# Altium PCB AL1000.PcbDoc (part 3 of 4) (continued)
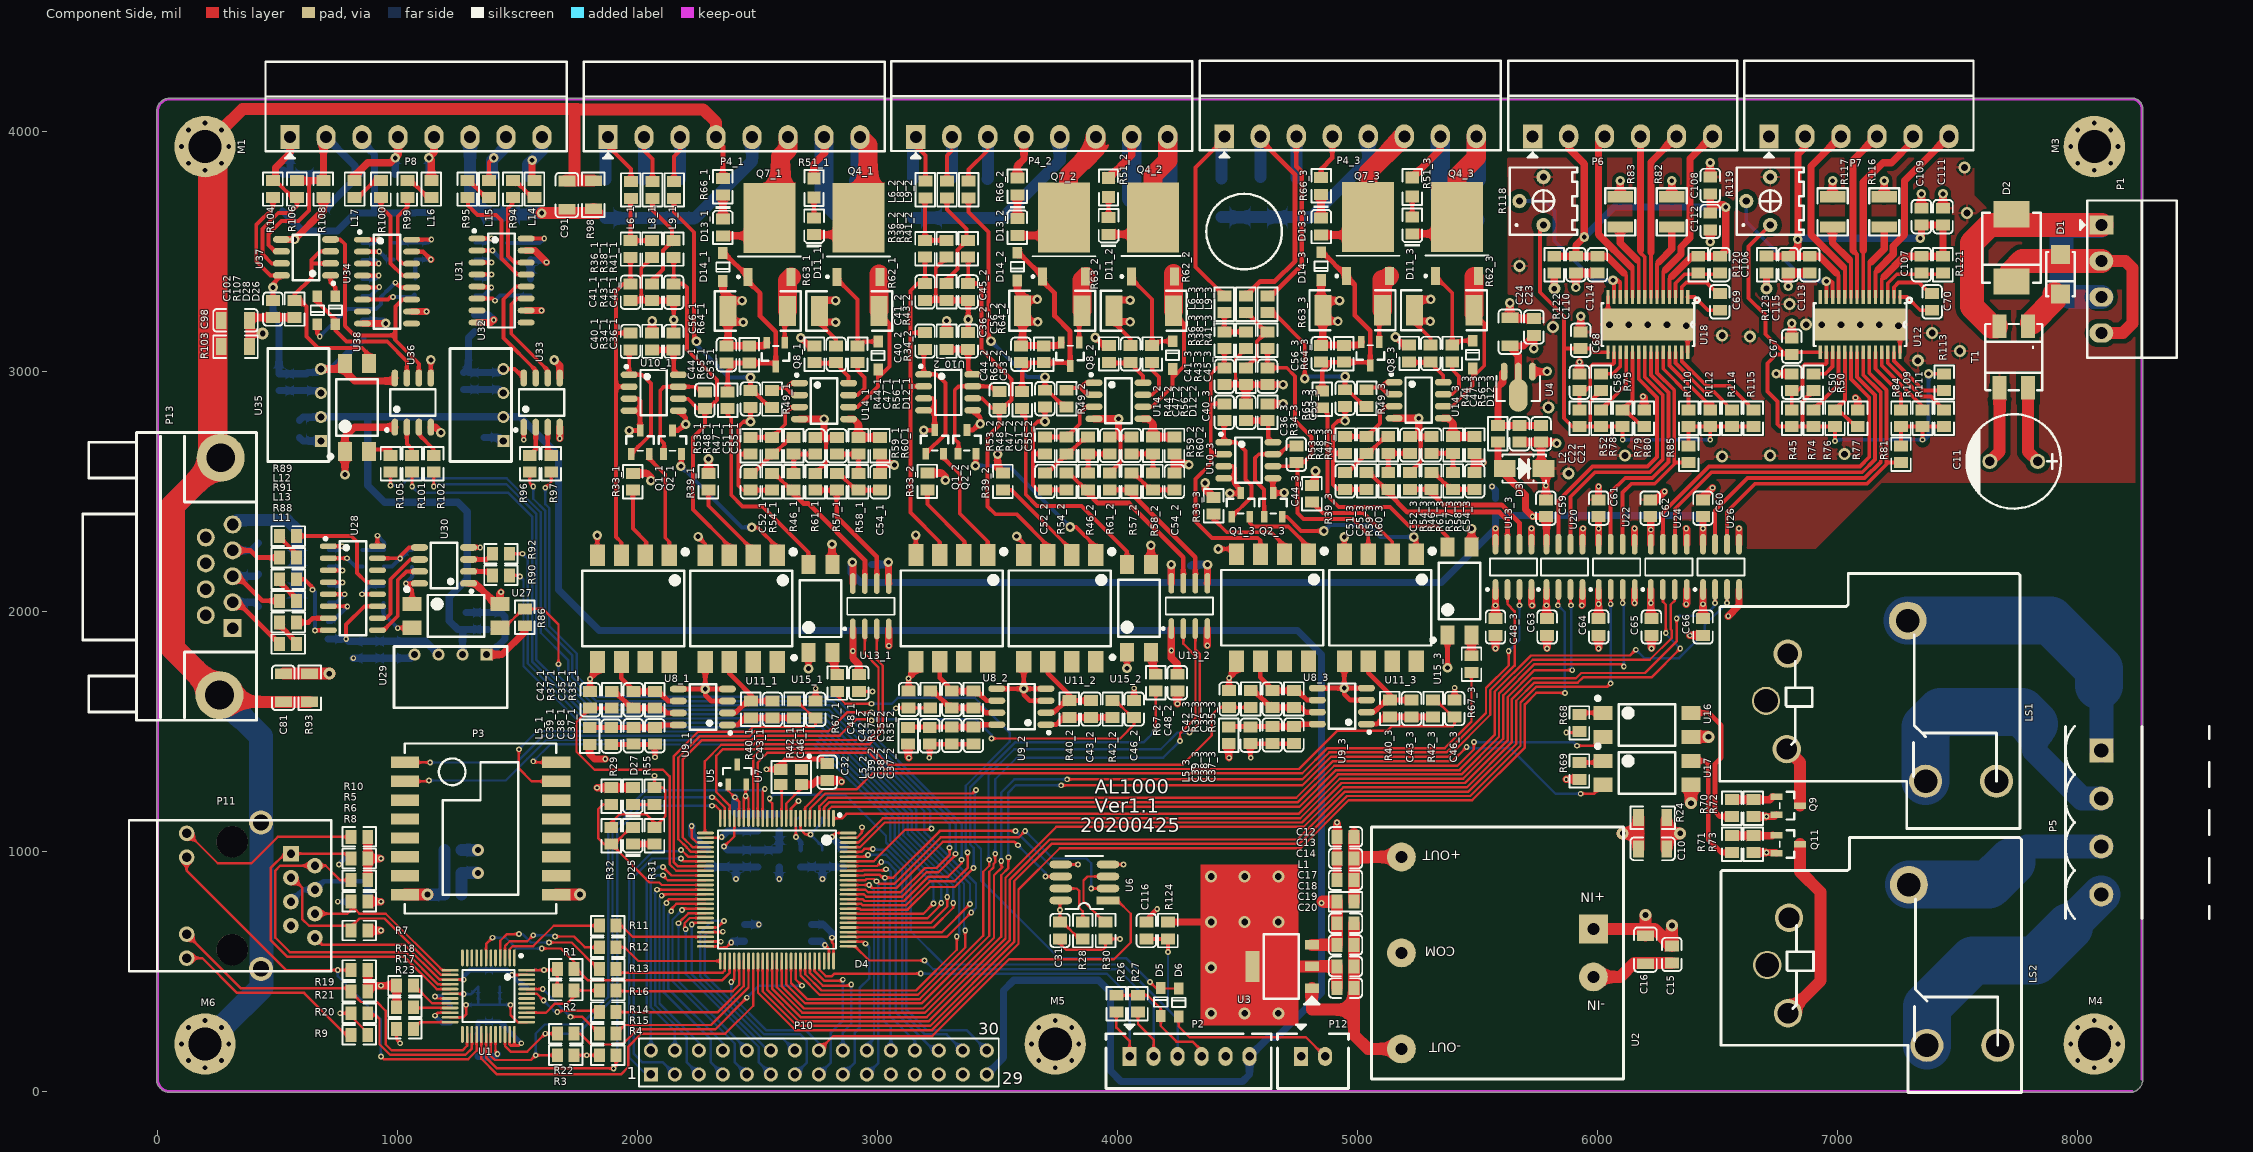
[diagram p0: Component Side view]
## Nets (pads, with @x,y where several pads share a name; then routed paths per layer and width w, separated by ;. In a path a pad name is that pad's centre, name@x,y a point inside that pad or via, vN(x,y) a via of type N, cw(c..) or ccw(c..) an arc to the next point about the centre after c; other vN are vias at no path point) (continued)
  Solder Side w10: v1(1135,1370) 1495,1370 1607,1482 1905.18,1482 1905.76,1481.42 2362.54,1481.42 2363.13,1482 2751.18,1482 3089,1144.18 3089,1059.19 3290,858.19 v1(3290,810)
NetD4_82: D4.82 P3.2 | length 3099
  Component Side w10: P3.2@1030.04,1291.85 1126.85,1291.85 v1(1130,1295) ; D4.82@2877.24,721.89 2878.13,721 3207.36,721 3265,778.64 v1(3265,785)
  Solder Side w10: v1(1130,1295) 1450,1295 1540,1385 1540,1385.36 1618.64,1464 1897.72,1464 1898.31,1463.42 2370,1463.42 2370.58,1464 2743.72,1464 3071,1136.72 3071,1051.73 3265,857.73 v1(3265,785)
NetD4_83: D4.83 P3.16 | length 2545.9
  Component Side w10: v1(1565,1375) 1569.41,1370.59 P3.16@1659.96,1370.59 ; D4.83@2877.24,741.57 2913.66,741.57 2916.23,739 3190,739 v1(3233,782)
  Solder Side w10: v1(1565,1375) 1636,1446 1890.27,1446 1891.27,1445 2735,1445 3053,1127 3053,1044.28 3233,864.28 ; 3230.09,861.37 3233,858.45 v1(3233,782) v1@3238,787
NetD4_84: D4.84 R67_2.1 | length 1961.9
  Component Side w10: D4.84@2877.24,761.26 2925.74,761.26 2930,757 3125.09,757 3219.27,851.18 3321.18,851.18 v1(3400,930) ; 4157.36,1515 4159.13,1516.77 R67_2.1@4159.13,1667.8
  Solder Side w10: v1@3402.18,932.18 v1(3400,930) 3400,1015 3386,1029 3386,1243.64 3385,1244.64 3385,1265.91 3574.09,1455 4110,1455 v1(4155,1500)
NetD4_85: D4.85 R67_1.1 | length 2028.8
  Component Side w10: R67_1.1@2831.77,1666.38 2831.77,1648.23 2865,1615 v1(2975,1615) ; D4.85@2877.24,780.94 2931.51,780.94 2937.46,775 3117.63,775 3217.63,875 3319.54,875 3375,930.46 v1(3375,995)
  Solder Side w10: v1(2975,1615) 3059.64,1615 3084.64,1640 3405,1640 3550,1495 3550,1456.37 3367,1273.37 3367,1237.19 3368,1236.19 3368,1002 v1(3375,995)
NetD4_86: D4.86 R97.2 | length 3478.1
  Component Side w10: v1(1615,2515) 1640,2540 R97.2@1640,2579.96 ; D4.86@2877.24,800.63 2937.28,800.63 2944.91,793 3110.18,793 3211.77,894.59 3294.59,894.59 3350,950 v1(3350,965)
  Solder Side w10: v1(1615,2515) 1615,2447 1632,2430 1632,1938 1746,1824 1746,1731.73 1833.73,1644 1972.28,1644 1972.86,1643.42 2295.44,1643.42 2296.02,1644 2819.91,1644 3350,1113.91 v1(3350,965)
NetD4_87: D4.87 R96.1 | length 3432.3
  Component Side w10: R96.1@1550,2579.96 1550,2535 v1(1565,2520) ; D4.87@2877.24,820.31 2943.05,820.31 2952.37,811 3102.72,811 3204.31,912.59 3253.04,912.59 3325,984.54 v1@3325,985
  Solder Side w10: v1(1565,2520) 1565,2469 1614,2420 1614,1930.54 1728,1816.54 1728,1724.28 1826.28,1626 1964.82,1626 1965.41,1625.42 2302.9,1625.42 2303.48,1626 2812.46,1626 3325,1113.46 v1@3325,985
  other v1: 3325,990
NetD4_88: D4.88 R105.1 | length 3959.4
  Component Side w10: v1(970,2525) R105.1@970,2579.96 ; D4.88@2877.24,840 2948.82,840 2959.82,829 3095.27,829 3196.86,930.59 3245.59,930.59 3300,985 v1(3300,1014.75) v1@3300,1011.18
  Solder Side w10: v1(970,2525) 1015,2525 1045,2555 1453.54,2555 1596,2412.54 1596,1911 1710,1797 1710,1716.82 1818.82,1608 1957.37,1608 1957.95,1607.42 2310.35,1607.42 2310.93,1608 2805,1608 3300,1113 v1(3300,1014.75)
NetD4_89: D4.89 P10.20 U6.6 | length 1750.5
  Component Side w10: D4.89@2877.24,859.69 v1(2964.68,859.69) 2977.37,847 3079,847 3272,1040 3570,1040 v1(3585,1025) ; v1(3700,895) U6.6@3763.15,895
  Solder Side w10: P10.20@2955,170 2955,190 2985,220 2985,839.37 v1(2964.68,859.69) ; v1(3585,1025) 3700,910 v1(3700,895)
NetD4_90: D4.90 P10.19 U6.2 | length 2173.4
  Component Side w10: D4.90@2877.24,879.37 2949.01,879.37 2954.33,884.69 2985.32,884.69 v1(2995,875) 3005,865 3070.19,865 3263.19,1058 3588,1058 v1(3615,1085) ; v1(3890,845) U6.2@3960,845
  Solder Side w10: P10.19@2955,70 3003,118 3003,867 v1(2995,875) ; v1(3615,1085) 3730,970 3870,970 3890,950 v1(3890,845)
NetD4_91: D4.91 P10.22 U6.5 | length 1909.5
  Component Side w10: D4.91@2877.24,899.06 2943.24,899.06 2946.87,902.69 3007.32,902.69 3020,890 v1(3030,890) 3064.54,890 3259.54,1085 v1(3575,1085) ; U6.5@3763.15,945 v1(3835,945)
  Solder Side w10: v1(3030,890) 3030,799.82 3025.18,795 3025.18,295 3055,265.18 P10.22@3055,170 ; v1(3575,1085) 3715,945 v1(3835,945)
NetD4_92: D4.92 P10.24 | length 962.6
  Component Side w10: D4.92@2877.24,918.74 2937.47,918.74 2939.42,920.69 v1@3024.32,920.69
  Solder Side w10: v1(3035,925) 3045,925 3055,915 3055,795 3050,790 3050,315 3155,210 P10.24@3155,170
NetD4_93: D4.93 P10.26 | length 1055.7
  Component Side w10: D4.93@2877.24,938.43 2877.5,938.69 2998.68,938.69 v1(3015,955)
  Solder Side w10: v1(3015,955) 3040.46,955 3075,920.46 3075,330 3235,170 P10.26@3255,170
NetD4_94: D4.94 R86.2 U27.3 | length 2790.4
  Component Side w10: U27.3@1426.06,1931.34 1443.61,1931.34 1522.31,2010.04 R86.2@1530,2010.04 1604.96,2010.04 1670,1945 v1(1670,1780) ; D4.94@2877.24,958.11 2983.11,958.11 2990,965 2990,965.36 3114.64,1090 3220,1090 v1(3225,1095)
  Solder Side w10: v1(1670,1780) 1670,1731.37 1811.37,1590 1949.91,1590 1950.5,1589.42 2317.81,1589.42 2318.39,1590 2797.55,1590 3220,1167.55 3220,1090 v1(3225,1095)
NetD4_95: D4.95 P10.28 | length 1161.8
  Component Side w10: D4.95@2877.24,977.8 2952.8,977.8 v1(2960,985)
  Solder Side w10: v1(2960,985) 3035.91,985 3102,918.91 3102,332.54 3197.54,237 3287.54,237 3354.54,170 P10.28@3355,170
NetD4_96: D4.96 P10.30 | length 1274.4
  Component Side w10: D4.96@2877.24,997.48 2932.48,997.48 2945,1010 v1(2980,1010)
  Solder Side w10: v1(2980,1010) 2983,1007 3039.37,1007 3120,926.37 3120,340 3205,255 3370,255 P10.30@3455,170
NetD4_97: D4.97 U20.3 | length 3767.9
  Component Side w10: D4.97@2877.24,1017.17 2926.71,1017.17 3029.54,1120 4768.65,1120 4933.15,1284.5 5447.68,1284.5 5625.5,1462.32 5625.5,1642.32 5738.18,1755 v3(5895,1755) ; U20.3@5887.5,2091.02 5887.5,2027.5 v3(5890,2025)
  Solder Side w10: v3(5890,2025) 5890,1760 v3(5895,1755)
NetD4_98: D4.98 U22.3 | length 3973.3
  Component Side w10: D4.98@2877.24,1036.85 2920.94,1036.85 3022.09,1138 4761.19,1138 4925.69,1302.5 5440.22,1302.5 5607.5,1469.78 5607.5,1649.78 5737.72,1780 6100,1780 v3(6110,1770) ; v3(6105,2035) U22.3@6105,2091.02
  Solder Side w10: v3(6105,2035) 6110,2030 v3(6110,1770)
NetD6_1: D6.1 P12.2 | length 703.7
  Component Side w10: D6.1@4255,311.93 4255,270 4300,225 4785,225 P12.2@4865,145
NetD7_1_1: D7_1.1 D11_1.K P4_1.8 Q4_1.4 | length 775.4
  Component Side w30: D11_1.K@2735,3569.96 2831.42,3569.96 2901.77,3640.32 Q4_1.4@2920.79,3640.32
  Component Side w80: Q4_1.4@2901.77,3640.32 2960,3698.54 2960,3943.15 P4_1.8@2926.77,3976.38
  Solder Side w80: D7_1.1@2920,3792.68 2926.77,3799.45 P4_1.8@2926.77,3976.38
NetD7_2_1: D7_2.1 D11_2.K P4_2.8 Q4_2.4 | length 762.8
  Component Side w30: D11_2.K@3962.36,3571.38 4058.78,3571.38 4129.13,3641.73 Q4_2.4@4148.15,3641.73
  Component Side w80: Q4_2.4@4148.15,3641.73 4148.15,3818.15 4209.13,3879.13 P4_2.8@4209.13,3977.8
  Solder Side w80: D7_2.1@4202.36,3794.09 4209.13,3800.87 P4_2.8@4209.13,3977.8
NetD7_3_1: D7_3.1 D11_3.K P4_3.8 Q4_3.4 | length 771
  Component Side w30: D11_3.K@5228.23,3573.58 5324.65,3573.58 5395,3643.94 Q4_3.4@5414.02,3643.94
  Component Side w80: Q4_3.4@5414.02,3643.94 5414.02,3810.79 5495,3891.77 P4_3.8@5495,3980
  Solder Side w80: D7_3.1@5488.23,3796.3 5495,3803.07 P4_3.8@5495,3980
NetD8_1_2: D8_1.2 L9_1.1 P4_1.3 | length 387.8
  Component Side w16: L9_1.1@2151.77,3791.42 2151.77,3895 2176.77,3920 P4_1.3@2176.77,3976.38 P4_1.3@2161.38,3976.38
  Solder Side w50: D8_1.2@2175,3800 2176.77,3801.77 P4_1.3@2176.77,3976.38
NetD8_2_2: D8_2.2 L9_2.1 P4_2.3 | length 410.6
  Component Side w16: L9_2.1@3379.13,3792.83 3379.13,3841.42 3459.13,3921.42 P4_2.3@3459.13,3977.8 P4_2.3@3443.74,3977.8
  Solder Side w50: D8_2.2@3457.36,3801.42 3459.13,3803.19 P4_2.3@3459.13,3977.8
NetD8_3_2: D8_3.2 L9_3.1 P4_3.3 | length 932.3
  Component Side w16: P4_3.3@4729.61,3980 P4_3.3@4745,3980
  Component Side w20: L9_3.1@4625,3315.2 4640,3315.2 4768,3443.2 4768,3831.6 4745,3854.6 P4_3.3@4745,3980
  Solder Side w50: D8_3.2@4745,3805.39 P4_3.3@4745,3980
NetD9_1_2: D9_1.2 L8_1.2 P4_1.2 | length 399.9
  Component Side w16: P4_1.2@2011.77,3961.38 P4_1.2@2026.77,3976.38 2026.77,3920 2061.77,3885 L8_1.2@2061.77,3791.42
  Solder Side w50: D9_1.2@2020,3800 2026.77,3806.77 P4_1.2@2026.77,3976.38
NetD9_2_2: D9_2.2 L8_2.2 P4_2.2 | length 316
  Component Side w16: L8_2.2@3289.13,3792.83 3289.13,3899.13 3309.13,3919.13 3309.13,3921.42
  Solder Side w50: D9_2.2@3302.36,3801.42 3309.13,3808.19 P4_2.2@3309.13,3977.8
NetD9_3_2: D9_3.2 L8_3.2 P4_3.2 | length 1035.9
  Component Side w16: P4_3.2@4580,3965 P4_3.2@4595,3980
  Component Side w20: L8_3.2@4535,3315.2 4535.2,3315.2 4595,3375 4655,3375 4740,3460 4740,3820 4595,3965 P4_3.2@4595,3980
  Solder Side w50: D9_3.2@4595,3810.39 P4_3.2@4595,3980
NetD10_1_2: D10_1.2 L6_1.2 P4_1.1 | length 405.6
  Component Side w16: P4_1.1@1876.77,3976.38 1884.07,3969.07 1884.07,3930.93 1971.77,3843.23 L6_1.2@1971.77,3791.42
  Solder Side w50: D10_1.2@1865,3800 1865,3964.61 P4_1.1@1876.77,3976.38
NetD10_2_2: D10_2.2 L6_2.2 P4_2.1 | length 382.8
  Component Side w16: P4_2.1@3159.13,3977.8 3166.44,3970.49 3166.44,3932.34 3199.13,3899.65 L6_2.2@3199.13,3792.83
  Solder Side w50: D10_2.2@3147.36,3801.42 3147.36,3966.02 P4_2.1@3159.13,3977.8
NetD10_3_2: D10_3.2 L6_3.2 P4_3.1 | length 945.5
  Component Side w16: L6_3.2@4445,3315.2 4325,3435.2 4325,3850 4445,3970 P4_3.1@4445,3980
  Solder Side w50: D10_3.2@4433.23,3803.62 4433.23,3968.23 P4_3.1@4445,3980
NetD11_1_A: D11_1.A R51_1.2 | length 85
  Component Side w16: D11_1.A@2735,3640.04 R51_1.2@2735,3725
NetD11_2_A: D11_2.A R51_2.2 | length 85
  Component Side w16: D11_2.A@3962.36,3641.46 R51_2.2@3962.36,3726.42
NetD11_3_A: D11_3.A R51_3.2 | length 85
  Component Side w16: D11_3.A@5228.23,3643.66 R51_3.2@5228.23,3728.62
NetD12_1_1: D12_1.1 Q4_1.3 R62_1.2 U14_1.6 | length 717.6
  Component Side w16: U14_1.6@2879.13,2851.38 2916.38,2851.38 3001.77,2936.77 3001.77,2971.77 ; D12_1.1@3001.77,3008.31 3001.77,2971.77 ; R62_1.2@3006.34,3251.42 3006.34,3241.38 3050,3197.72 3050,3020 3001.77,2971.77 ; D12_1.1@3006.77,2991.42 3006.77,3003.31 D12_1.1@3009.27,3005.81
  Component Side w80: R62_1.2@3006.34,3251.42 Q4_1.3@3006.34,3406.38
NetD12_1_2: D12_1.2 Q4_1.1 R56_1.1 | length 420.8
  Component Side w16: Q4_1.1@2831.02,3394.25 2831.02,3385 2916.77,3299.25 R56_1.1@2916.77,3106.42 2921.77,3106.42 2939.8,3124.45 D12_1.2@3001.77,3124.45 ; D12_1.2@3001.77,3119.45 D12_1.2@3006.77,3119.45
NetD12_2_1: D12_2.1 Q4_2.3 R62_2.2 U14_2.6 | length 717.6
  Component Side w16: U14_2.6@4106.5,2852.8 4143.74,2852.8 4229.13,2938.19 4229.13,2973.19 ; D12_2.1@4229.13,3009.72 4229.13,2973.19 ; R62_2.2@4233.7,3252.83 4233.7,3242.8 4277.36,3199.13 4277.36,3021.42 4229.13,2973.19 ; D12_2.1@4234.13,2992.83 4234.13,3004.72 D12_2.1@4236.63,3007.22
  Component Side w80: R62_2.2@4233.7,3252.83 Q4_2.3@4233.7,3407.8
NetD12_2_2: D12_2.2 Q4_2.1 R56_2.1 | length 420.8
  Component Side w16: Q4_2.1@4058.39,3395.67 4058.39,3386.42 4144.13,3300.67 R56_2.1@4144.13,3107.83 4149.13,3107.83 4167.17,3125.87 D12_2.2@4229.13,3125.87 ; D12_2.2@4229.13,3120.87 D12_2.2@4234.13,3120.87
NetD12_3_1: D12_3.1 Q4_3.3 R62_3.2 U14_3.6 | length 717.6
  Component Side w16: U14_3.6@5357.36,2855 5394.61,2855 5480,2940.39 5480,2975.39 ; D12_3.1@5480,3011.93 5480,2975.39 ; R62_3.2@5484.57,3255.04 5484.57,3245 5485,3244.57 5528.23,3201.34 5528.23,3023.62 5480,2975.39 ; D12_3.1@5485,2995.04 5485,3006.93 D12_3.1@5487.5,3009.43
  Component Side w80: R62_3.2@5485,3240.04 5485,3244.57 5485,3395
NetD12_3_2: D12_3.2 Q4_3.1 R56_3.1 | length 414.6
  Component Side w16: Q4_3.1@5324.25,3397.87 5395,3327.13 R56_3.1@5395,3110.04 5400,3110.04 5418.03,3128.07 D12_3.2@5480,3128.07 ; D12_3.2@5480,3123.07 D12_3.2@5485,3123.07
NetD13_1_A: D13_1.A P4_1.6 Q7_1.4 | length 594.3
  Component Side w30: D13_1.A@2355,3564.96 2474.96,3564.96 Q7_1.4@2550,3640
  Component Side w80: Q7_1.4@2550,3640 2595,3685 2595,3895 2626.77,3926.77 P4_1.6@2626.77,3976.38
NetD13_1_K: D13_1.K R66_1.1 | length 99.5
  Component Side w30: D13_1.K@2355,3635.04 R66_1.1@2355,3734.58
NetD13_2_A: D13_2.A P4_2.6 Q7_2.4 | length 617
  Component Side w30: D13_2.A@3582.36,3566.38 3702.32,3566.38 Q7_2.4@3777.36,3641.42
  Component Side w80: Q7_2.4@3777.36,3641.42 3795,3659.06 3795,3815 3909.13,3929.13 P4_2.6@3909.13,3977.8
NetD13_2_K: D13_2.K R66_2.1 | length 99.5
  Component Side w30: D13_2.K@3582.36,3636.46 R66_2.1@3582.36,3736
NetD13_3_A: D13_3.A P4_3.6 Q7_3.4 | length 625.3
  Component Side w30: D13_3.A@4848.23,3568.58 4968.19,3568.58 Q7_3.4@5043.23,3643.62
  Component Side w80: Q7_3.4@5043.23,3643.62 5043.23,3828.23 P4_3.6@5195,3980
NetD13_3_K: D13_3.K R66_3.1 | length 99.5
  Component Side w30: D13_3.K@4848.23,3638.66 R66_3.1@4848.23,3738.2
NetD15_2: D15.2 L13.2 P13.3 | length 443.4
  Component Side w20: P13.3@312,2146 334,2146 436.14,2043.86 L13.2@507.95,2043.86
  Solder Side w30: D15.2@405,2145 313,2145 P13.3@312,2146 411,2146 D15.2@420,2155
NetD16_2: D16.2 L12.2 P13.4 | length 329.3
  Component Side w20: P13.4@312,2254 386,2254 416.14,2223.86 L12.2@507.95,2223.86
  Solder Side w30: P13.4@312,2254 389,2254 D16.2@420,2285
NetD17_2: D17.2 L11.2 P13.2 | length 384.2
  Component Side w20: P13.2@312,2038 333.81,2038 L11.2@507.95,1863.86
  Solder Side w16: P13.2@311.5,2038.5 P13.2@312,2038
  Solder Side w30: P13.2@312,2038 402,2038 D17.2@420,2020
NetD18_2: D18.2 L15.2 P8.7 | length 276.7
  Component Side w16: L15.2@1380,3795.04 1380,3870 v4(1400,3890)
  Solder Side w50: D18.2@1392.99,3814.96 v4@1392.99,3880 ; v4@1401.5,3888.5 1451.18,3938.19 P8.7@1451.18,3976.38
NetD19_2: D19.2 L14.2 P8.8 | length 270.5
  Component Side w30: L14.2@1560,3795.04 v4(1560,3880)
  Solder Side w50: D19.2@1542.99,3814.96 1542.99,3862.99 v4(1560,3880) 1601.18,3921.18 P8.8@1601.18,3976.38
NetD20_2: D20.2 L17.2 P8.4 | length 380.9
  Component Side w30: L17.2@820,3795.04 820,3815 875,3870 970,3870 v4(990,3890) 1001.18,3901.18 P8.4@1001.18,3976.38
  Solder Side w30: D20.2@990,3821.1 v4(990,3890)
NetD21_2: D21.2 L16.2 P8.5 | length 263.2
  Component Side w30: L16.2@1140,3795.04 1140,3880 v4(1130,3890) 1151.18,3911.18 P8.5@1151.18,3976.38
  Solder Side w30: D21.2@1130,3821.1 v4(1130,3890)
NetD22_1: D22.1 D23.2 P8.2 R106.2 R108.1 U37.6 | length 1198.7
  Component Side w16: U37.6@515.28,3500 488.78,3500 461.84,3526.94 461.84,3573.06 515.78,3627 587,3627 630,3670 630,3795.04
  Component Side w30: R106.2@580,3795.04 630,3795.04 R108.1@670,3795.04 ; R108.1@690,3795.04 R108.1@670,3795.04 ; P8.2@701.18,3976.38 690,3965.2 690,3815.04 R108.1@670,3795.04
  Solder Side w30: D22.1@682.99,3662.76 822.99,3802.76 D23.2@822.99,3841.34 ; P8.2@701.18,3976.38 822.99,3854.57 D23.2@822.99,3841.34 ; D23.2@842.99,3821.34 D23.2@822.99,3841.34
NetD22_2: D22.2 D24.2 P8.1 R104.2 R106.1 U37.7 | length 1077.3
  Component Side w16: R104.2@480,3795.04 490,3795.04 560.08,3724.96 R106.1@580,3724.96 580,3690 550,3660 502.11,3660 435.84,3593.73 435.84,3489.16 475,3450 U37.7@515.28,3450
  Component Side w30: R104.2@490,3795.04 490,3848.82 551.18,3910 P8.1@551.18,3976.38
  Solder Side w30: D24.2@522.99,3821.34 D24.2@522.99,3840 ; D24.2@540,3821.1 D24.2@540.24,3821.34 ; P8.1@551.18,3976.38 551.18,3832.28 D24.2@540.24,3821.34 ; D22.2@682.99,3823.86 680.47,3821.34 D24.2@540.24,3821.34
NetD25_K: D25.K R31.1 | length 90
  Component Side w20: D25.K@1980,1029.96 R31.1@2070,1029.96
NetD26_1: D26.1 D28.1 U36.7 | length 593.5
  Component Side w16: D28.1@665,3313.07 665,3290 740,3215 D26.1@740,3196.93 740,3170 786,3124 956,3124 1037.99,3042.01 U36.7@1037.99,2973.7
NetD26_2: D26.2 U37.1 | length 95.2
  Component Side w16: U37.1@720,3400 720,3370 740,3350 D26.2@740,3313.07
NetD27_K: D27.K R55.1 | length 90
  Component Side w10: D27.K@1980,1194.96 R55.1@2070,1194.96
NetD28_2: D28.2 U34.12 | length 559.5
  Component Side w16: D28.2@665,3196.93 665,3155 v1(675,3145) ; v1(990,3370) 1010.59,3349.41 U34.12@1057.72,3349.41
  Solder Side w16: v1(675,3145) 790,3260 910,3260 930,3280 930,3310 950,3330 950,3332.43 952.43,3332.43 v1(990,3370)
NetL6_1_1: L6_1.1 R36_1.2 R38_1.2 | length 267
  Component Side w16: L6_1.1@1971.77,3721.34 1970,3719.57 R36_1.2@1970,3545.04 R38_1.2@2060,3545 R38_1.2@2060,3545
NetL6_2_1: L6_2.1 R36_2.2 R38_2.2 | length 267
  Component Side w16: L6_2.1@3199.13,3722.76 3197.36,3720.98 R36_2.2@3197.36,3546.46 R38_2.2@3287.32,3546.46 ; R38_2.2@3287.32,3546.46 R38_2.2@3287.36,3546.42
NetL6_3_1: L6_3.1 R36_3.2 R38_3.2 | length 170
  Component Side w16: L6_3.1@4445,3245.12 R36_3.2@4445,3165.16 R38_3.2@4535,3165.12 R38_3.2@4535,3165.12
NetL8_1_1: L8_1.1 R41_1.2 R43_1.2 | length 432.4
  Component Side w16: R43_1.2@2060,3365.04 2060,3380 2105,3425 2105,3454.94 2105.06,3455 2105.06,3504.38 R41_1.2@2145.68,3545 ; L8_1.1@2061.77,3721.34 2061.77,3673.23 2143.11,3591.89 2143.11,3545 R41_1.2@2145.68,3545 ; R41_1.2@2150,3545 R41_1.2@2145.68,3545
NetL8_2_1: L8_2.1 R41_2.2 R43_2.2 | length 432.4
  Component Side w16: R43_2.2@3287.36,3366.46 3287.36,3381.42 3332.36,3426.42 3332.36,3456.35 3332.43,3456.42 3332.43,3505.8 R41_2.2@3373.04,3546.42 ; L8_2.1@3289.13,3722.76 3289.13,3674.65 3370.47,3593.31 3370.47,3546.42 R41_2.2@3373.04,3546.42 ; R41_2.2@3377.36,3546.42 R41_2.2@3373.04,3546.42
NetL8_3_1: L8_3.1 R41_3.2 R43_3.2 | length 318.6
  Component Side w16: R43_3.2@4535,3015.08 4580.06,3060.14 ; L8_3.1@4535,3245.12 4538.11,3245.12 4618.11,3165.12 R41_3.2@4620.68,3165.12 ; 4580.06,3050.22 4580.06,3060.14 ; R41_3.2@4625,3165.12 R41_3.2@4620.68,3165.12 ; 4580.06,3060.14 4580.06,3124.5 R41_3.2@4620.68,3165.12
NetL11_1: L11.1 R88.1 | length 119
  Component Side w20: R88.1@507.95,1953.86 507.95,1941.09 578.03,1871.01 L11.1@578.03,1863.86
NetL12_1: L12.1 R89.1 | length 119
  Component Side w16: R89.1@507.95,2313.86 507.95,2309.54 578.03,2239.46 L12.1@578.03,2223.86
NetL13_1: L13.1 R91.1 | length 119
  Component Side w20: R91.1@507.95,2133.86 507.95,2122.05 578.03,2051.97 L13.1@578.03,2043.86
NetL14_1: L14.1 R94.1 | length 119
  Component Side w16: R94.1@1470,3795.04 R94.1@1480,3795.04 1489.92,3795.04 L14.1@1560,3724.96
NetL15_1: L15.1 R95.1 | length 119
  Component Side w16: R95.1@1290,3795.04 1297.15,3795.04 1367.23,3724.96 L15.1@1380,3724.96
NetL16_1: L16.1 R99.1 | length 129
  Component Side w16: R99.1@1040,3795.04 1054.96,3795.04 1125.04,3724.96 L16.1@1140,3724.96
NetL17_1: L17.1 R100.1 | length 139
  Component Side w16: L17.1@820,3724.96 834.96,3724.96 905.04,3795.04 R100.1@930,3795.04
NetLS1_1: LS1.1 P5.1 | length 1224.5
  Solder Side w100: 8090,1690 8100,1680 P5.1@8100,1420
  Solder Side w200: LS1.1@7292.99,1961.34 7888.66,1961.34 8090,1760 8090,1690
NetLS1_3: LS1.3 P5.2 | length 1197.3
  Solder Side w100: 7820,1530 7820,1420 8020,1220 P5.2@8100,1220
  Solder Side w200: LS1.3@7367.8,1292.05 7367.8,1517.8 7430,1580 7770,1580 7820,1530
NetLS1_4: LS1.4 Q9.3 | length 258.8
  Component Side w50: LS1.4@6789.06,1425.91 6844.21,1370.75 Q9.3@6844.21,1190
NetLS2_1: LS2.1 P5.3 | length 867.8
  Solder Side w100: 7725,955 7790,1020 P5.3@8100,1020
  Solder Side w200: LS2.1@7298.19,860.63 7630.63,860.63 7725,955
NetLS2_3: LS2.3 P5.4 | length 1082.1
  Solder Side w160: 7965,685 P5.4@8100,820
  Solder Side w200: LS2.3@7372.99,191.34 7372.99,352.99 7565,545 7825,545 7965,685
NetLS2_4: LS2.4 Q11.3 | length 796.6
  Component Side w50: LS2.4@6794.25,325.2 6930,460.94 6930,830 6844.21,915.79 Q11.3@6844.21,1030
NetM2_1: 
NetM3_1: M3.1 M3.2 M3.3 M3.4 M3.5 M3.6 M3.7 M3.8 M3.9
NetM4_1: M4.1 M4.2 M4.3 M4.4 M4.5 M4.6 M4.7 M4.8 M4.9
NetM5_1: M5.1 M5.2 M5.3 M5.4 M5.5 M5.6 M5.7 M5.8 M5.9
NetP6_3: P6.3 U18.10 | length 738.8
  Component Side w16: 6140,3435 6146,3429 U18.10@6146,3310
  Component Side w30: P6.3@6030,3980 6005,3955 6005,3570 6140,3435
NetP6_4: P6.4 U18.8 | length 677
  Component Side w16: 6180,3503.74 6180,3494.16 6197,3477.16 U18.8@6197,3310
  Component Side w30: 6180,3503.74 P6.4@6180,3980
NetP6_5: P6.5 U18.7 | length 714.3
  Component Side w16: U18.7@6223,3310 6223,3495
  Component Side w30: 6223,3495 6223,3873 P6.5@6330,3980
NetP6_6: P6.6 U18.5 | length 755.3
  Component Side w16: U18.5@6274,3310 6274,3414 6285,3425
  Component Side w30: 6285,3425 6348,3488 6348,3518.81 6386.15,3556.96 6386.15,3886.15 P6.6@6480,3980
NetP7_3: P7.3 U12.10 | length 780.2
  Component Side w16: 7025,3435 7031,3429 U12.10@7031,3310
  Component Side w30: P7.3@7015,3980 6890,3855 6890,3570 7025,3435
NetP7_4: P7.4 U12.8 | length 718.5
  Component Side w16: 7065,3503.74 7082,3486.74 U12.8@7082,3310
  Component Side w30: 7065,3503.74 7065,3880 P7.4@7165,3980
NetP7_5: P7.5 U12.7 | length 776.2
  Component Side w16: U12.7@7108,3310 7108,3505
  Component Side w30: 7108,3505 7108,3788 7190,3870 7225,3870 7315,3960 P7.5@7315,3980
NetP7_6: P7.6 U12.5 | length 796.7
  Component Side w16: U12.5@7159,3310 7159,3414 7170,3425
  Component Side w30: 7170,3425 7233,3488 7233,3523 7280,3570 7280,3795 P7.6@7465,3980
NetP11_1: P11.1 R5.1 U1.17 | length 1501.2
  Component Side w10: R5.1@804.96,970 784.96,990 P11.1@555,990 530,990 470,930 470,630 540,560 1028.18,560 1162.31,425.87 U1.17@1218.54,425.87
NetP11_2: P11.2 R6.1 U1.16 | length 1451.3
  Component Side w10: R6.1@794.96,890 R6.1@804.96,880 760,880 700,940 P11.2@655,940 510,940 490,920 490,640 550,580 1033.63,580 1168.08,445.55 U1.16@1218.54,445.55
NetP11_3: P11.3 R7.1 U1.14 | length 954.4
  Component Side w10: P11.3@555,890 560,890 601.5,848.5 601.5,718.5 630,690 R7.1@810,690 ; R7.1@804.96,670 804.96,684.96 R7.1@810,690 ; U1.14@1218.54,484.92 1179.62,484.92 944.54,720 840,720 R7.1@810,690
NetP11_6: P11.6 R8.1 U1.13 | length 737.1
  Component Side w10: P11.6@655,740 790,740 R8.1@815,765 ; R8.1@820,770 820,774.96 R8.1@804.96,790 804.96,775.04 R8.1@815,765 ; U1.13@1218.54,504.61 1185.39,504.61 950,740 840,740 R8.1@815,765
NetP11_9: P11.9 R10.1 | length 782.2
  Component Side w10: P11.9@120.08,1075.04 124.96,1075.04 250,950 390,950 500,1060 R10.1@804.96,1060
NetP11_10: P11.10 R19.1 U1.28 | length 1832.3
  Component Side w10: P11.10@120.08,975.04 120.08,919.92 535,505 v1(750,505) R19.1@804.96,505 ; v1(930,145) 941,134 1294,134 1328.78,168.78 U1.28@1328.78,236.89
  Solder Side w10: v1(750,505) 750,480 930,300 v1(930,145)
NetP11_11: P11.11 R21.1 U1.26 | length 1508.3
  Component Side w10: P11.11@120.08,655.04 345.12,430 788.47,430 803.47,415 R21.1@804.96,415 804.96,413.51 846.41,372.06 912.94,372.06 950,335 950,195 975,170 1269.41,170 1289.41,190 U1.26@1289.41,236.89
NetP11_12: P11.12 R9.1 | length 817.4
  Component Side w10: P11.12@120.08,555.04 184.96,555.04 330,410 610,410 785,235 R9.1@804.96,235
NetQ1_1_2: Q1_1.2 U8_1.1 | length 458.7
  Component Side w16: Q1_1.2@2047.4,2657.6 Q1_1.2@2047.4,2655.79 2047.4,2637.6 2115,2570 2115,2306.77 2131.77,2290 U8_1.1@2131.77,2233.86
NetQ1_2_2: Q1_2.2 U8_2.1 | length 500.1
  Component Side w16: Q1_2.2@3274.76,2659.02 Q1_2.2@3274.76,2657.2 3274.76,2639.02 3342.36,2571.42 3342.36,2408.19 3459.13,2291.42 U8_2.1@3459.13,2235.28
NetQ1_3_2: Q1_3.2 U8_3.1 | length 343.8
  Component Side w16: Q1_3.2@4550.63,2394.41 4550.63,2368.17 4565,2353.8 4711.2,2353.8 4795,2270 U8_3.1@4795,2237.48
NetQ2_1_2: Q2_1.2 U11_1.1 | length 627.4
  Component Side w16: v2(2180,2605) 2182.4,2607.4 Q2_1.2@2182.4,2655.79 ; v2(2475,2350) 2500,2350 2581.77,2268.23 U11_1.1@2581.77,2233.86
  Solder Side w16: v2(2180,2605) 2435,2350 v2(2475,2350)
NetQ2_2_2: Q2_2.2 U11_2.1 | length 727.4
  Component Side w16: v2(3407.36,2606.42) 3409.76,2608.82 Q2_2.2@3409.76,2657.2 ; v2(3802.36,2351.42) 3827.36,2351.42 3909.13,2269.65 U11_2.1@3909.13,2235.28
  Solder Side w16: v2(3407.36,2606.42) 3547.36,2606.42 v2(3802.36,2351.42)
NetQ2_3_2: Q2_3.2 U11_3.1 | length 681.7
  Component Side w16: Q2_3.2@4685.63,2394.41 4705.59,2394.41 4765,2335 v2(4860,2335) ; v2(5235,2310) 5245,2300 U11_3.1@5245,2237.48
  Solder Side w16: v2(4860,2335) 4885,2360 5045,2360 5095,2310 v2(5235,2310)
NetQ7_1_3: Q7_1.3 Q8_1.1 R63_1.1 | length 286.1
  Component Side w16: Q8_1.1@2612.4,3119.21 2612.4,3227.4 2625,3240 R63_1.1@2625,3251.42
  Component Side w80: R63_1.1@2625,3251.42 2625,3379.17 Q7_1.3@2639.76,3393.94
NetQ7_2_3: Q7_2.3 Q8_2.1 R63_2.1 | length 286.1
  Component Side w16: Q8_2.1@3839.76,3120.63 3839.76,3228.82 3852.36,3241.42 R63_2.1@3852.36,3252.83
  Component Side w80: R63_2.1@3852.36,3252.83 3852.36,3380.59 Q7_2.3@3867.13,3395.35
NetQ7_3_3: Q7_3.3 Q8_3.1 R63_3.1 | length 286.1
  Component Side w16: Q8_3.1@5090.63,3122.83 5090.63,3231.02 5103.23,3243.62 R63_3.1@5103.23,3255.04
  Component Side w80: R63_3.1@5103.23,3255.04 5103.23,3382.8 ; Q7_3.3@5118.23,3382.8 Q7_3.3@5132.99,3397.56
NetQ9_1: Q9.1 R70.2 R72.1 | length 175.9
  Component Side w30: R70.2@6560,1215.04 R72.1@6650,1215.04 6718.43,1215.04 Q9.1@6730.79,1227.4
NetQ11_1: Q11.1 R71.2 R73.1 | length 171.8
  Component Side w30: R71.2@6560,1065.04 R73.1@6650,1065.04 6728.43,1065.04 Q11.1@6730.79,1067.4
NetR2_1: R2.1 R16.1 U1.39 | length 355.5
  Component Side w10: U1.39@1537.44,327.44 1617.44,327.44 1655,365 1705,365 1735.04,395.04 R2.1@1735.04,420 R16.1@1839.96,420
NetR11_1: R11.1 U1.2 | length 450.3
  Component Side w10: U1.2@1466.57,555.79 1466.57,592.2 1478.59,604.22 1564.22,604.22 1650,690 R11.1@1839.96,690
NetR12_1: R12.1 U1.3 | length 481.6
  Component Side w10: U1.3@1446.89,555.79 1446.89,605 1466.89,625 1540,625 v1(1565,650) ; v1(1655,645) 1735,645 1780,600 R12.1@1839.96,600
  Solder Side w10: v1(1565,650) 1650,650 v1(1655,645)
NetR13_1: R13.1 U1.4 | length 555.7
  Component Side w10: U1.4@1427.2,555.79 1427.2,627.2 1455,655 v1(1505,655) ; v1(1630,620) 1725,620 1835,510 R13.1@1839.96,510
  Solder Side w10: v1(1505,655) 1520,655 1555,620 v1(1630,620)
NetR14_1: R14.1 U1.43 | length 338.2
  Component Side w10: U1.43@1537.44,406.18 1580,406.18 v1(1608.09,378.09) ; v1(1665,330) 1670,335 1834.96,335 R14.1@1839.96,330
  Solder Side w10: v1(1608.09,378.09) 1656.18,330 v1(1665,330)